# KiCad board [DFR1144][M027.00940](V1.0.0).kicad_pcb (continued)
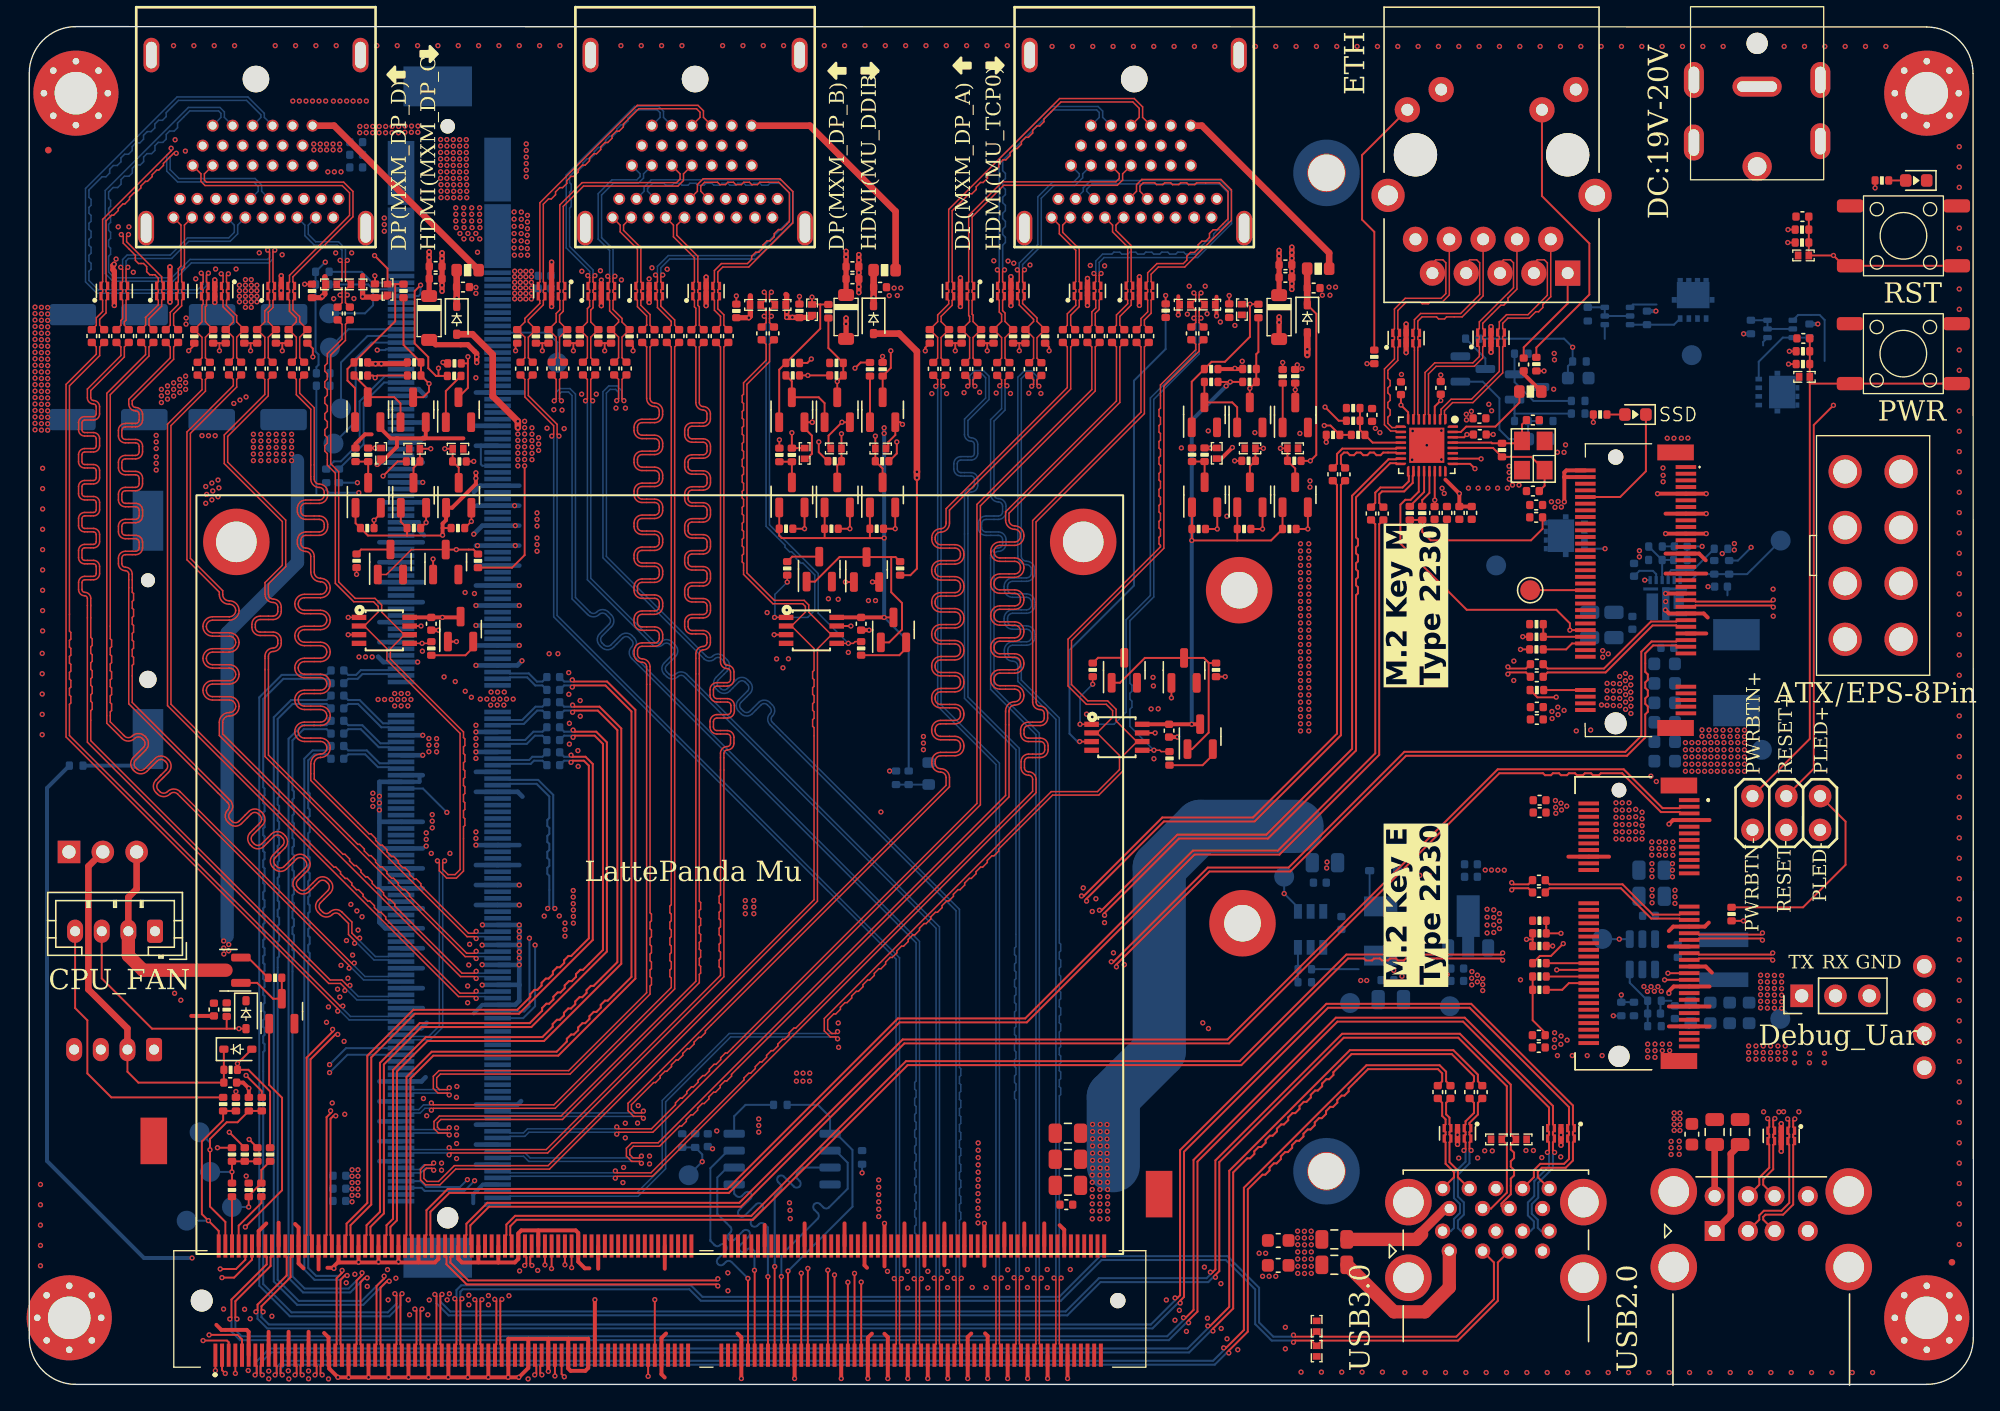
[diagram p0: board, top side]
## Routing (per net, layer and track width the routed paths; a pad name or vN(x,y) marks a point on that pad's centre or on a via; arc(x,y) is an arc through that point) (continued)
  In8.SIG4 w0.117: J11.208 27.1,31.76 26.97,31.88 25.88,31.88 24.63,33.14 v1(24.43,33.14)
/HDMI+DPD/MXM_DPD_TX1_DN: length 66.5
  In1.SIG1 w0.117: C118.1 8.99,77.94 8.99,77.26 6.08,74.35 6.08,56.02 6.18,55.92 6.18,55.42 6.08,55.32 6.08,54.82 6.18,54.72 6.18,54.22 6.08,54.12 6.08,53.62 6.18,53.52 6.18,53.02 6.08,52.92 6.08,52.42 6.18,52.32 6.18,51.82 6.08,51.72 6.08,51.22 6.18,51.12 6.18,50.62 6.08,50.52 6.08,49.77 7.15,48.7 arc(7.44,48.58) 7.73,48.7 arc(8.2,48.9) 8.66,48.7 8.76,48.61 arc(8.95,48.14) 8.76,47.67 7.99,46.91 arc(7.87,46.62) 7.99,46.33 8.08,46.25 arc(8.37,46.12) 8.66,46.25 9.42,47.01 arc(9.9,47.2) 10.37,47.01 10.46,46.92 arc(10.65,46.45) 10.46,45.98 9.69,45.22 arc(9.57,44.93) 9.69,44.64 9.8,44.53 arc(10.09,44.41) 10.38,44.53 arc(10.85,44.73) 11.32,44.53 24.2,31.65 v1(24.4,31.65)
  In8.SIG4 w0.117: J11.212 27.1,30.76 26.97,30.64 25.21,30.64 24.4,31.45 v1(24.4,31.65)
/HDMI+DPD/MXM_DPD_TX1_DP: length 66.5
  In1.SIG1 w0.117: C117.1 8.73,77.94 8.73,77.36 5.82,74.45 5.82,49.67 6.97,48.52 arc(7.44,48.33) 7.91,48.52 arc(8.2,48.64) 8.48,48.52 8.57,48.43 arc(8.69,48.14) 8.57,47.85 7.81,47.09 arc(7.62,46.62) 7.81,46.15 7.9,46.06 arc(8.37,45.87) 8.84,46.06 9.61,46.83 arc(9.9,46.95) 10.19,46.83 10.27,46.74 arc(10.39,46.45) 10.27,46.16 9.51,45.4 arc(9.32,44.93) 9.51,44.46 9.62,44.35 arc(10.09,44.15) 10.56,44.35 arc(10.85,44.47) 11.14,44.35 24.02,31.47 v1(24.02,31.27)
  In8.SIG4 w0.117: v1(24.02,31.27) 24.22,31.27 25.1,30.38 26.97,30.38 27.1,30.26 J11.214
/HDMI+DPD/MXM_DPD_TX2_DN: length 75.2
  In1.SIG1 w0.117: C120.1 7.14,77.94 7.14,77.19 4.62,74.67 4.62,74.11 arc(4.68,73.97) 4.82,73.91 arc(5.14,73.78) 5.28,73.45 5.28,72.9 arc(5.14,72.58) 4.82,72.45 4.16,72.45 arc(4.02,72.39) 3.96,72.24 3.96,71.71 arc(4.02,71.56) 4.16,71.5 4.82,71.5 arc(5.15,71.37) 5.28,71.04 5.28,70.51 arc(5.15,70.18) 4.82,70.05 4.16,70.05 arc(4.02,69.99) 3.96,69.84 3.96,69.31 arc(4.02,69.16) 4.16,69.1 4.82,69.1 arc(5.15,68.97) 5.28,68.64 5.28,68.11 arc(5.15,67.78) 4.82,67.65 4.16,67.65 arc(4.02,67.59) 3.96,67.44 3.96,66.91 arc(4.02,66.76) 4.16,66.7 4.82,66.7 arc(5.15,66.57) 5.28,66.24 5.28,65.71 arc(5.15,65.38) 4.82,65.25 4.16,65.25 arc(4.02,65.19) 3.96,65.04 3.96,64.51 arc(4.02,64.36) 4.16,64.3 4.82,64.3 arc(5.15,64.17) 5.28,63.84 5.28,63.31 arc(5.15,62.98) 4.82,62.85 4.16,62.85 arc(4.02,62.79) 3.96,62.64 3.96,62.11 arc(4.02,61.96) 4.16,61.9 4.82,61.9 arc(5.15,61.77) 5.28,61.44 5.28,60.91 arc(5.15,60.58) 4.82,60.45 4.16,60.45 arc(4.02,60.39) 3.96,60.24 3.96,59.7 arc(4.02,59.56) 4.16,59.5 arc(4.48,59.37) 4.62,59.04 4.62,56.12 4.72,56.01 4.72,55.52 4.62,55.41 4.62,54.92 4.72,54.81 4.72,54.32 4.62,54.21 4.62,53.72 4.72,53.61 4.72,53.12 4.62,53.01 4.62,52.52 4.72,52.41 4.72,51.92 4.62,51.81 4.62,51.32 4.72,51.21 4.72,50.72 4.62,50.61 4.62,48.35 22.59,30.38 23.47,30.38 23.88,29.97 v1(24.08,29.97)
  In8.SIG4 w0.117: v1(24.08,29.97) 24.08,29.77 24.71,29.14 26.97,29.14 27.1,29.26 J11.218
/HDMI+DPD/MXM_DPD_TX2_DP: length 75.2
  In1.SIG1 w0.117: C119.1 6.88,77.94 6.88,77.29 4.36,74.77 4.36,74.11 arc(4.5,73.79) 4.82,73.65 arc(4.96,73.6) 5.02,73.45 5.02,72.9 arc(4.96,72.76) 4.82,72.7 4.16,72.7 arc(3.83,72.57) 3.7,72.24 3.7,71.71 arc(3.83,71.38) 4.16,71.25 4.82,71.25 arc(4.96,71.19) 5.02,71.04 5.02,70.51 arc(4.96,70.36) 4.82,70.3 4.16,70.3 arc(3.83,70.17) 3.7,69.84 3.7,69.31 arc(3.83,68.98) 4.16,68.85 4.82,68.85 arc(4.96,68.79) 5.02,68.64 5.02,68.11 arc(4.96,67.96) 4.82,67.9 4.16,67.9 arc(3.83,67.77) 3.7,67.44 3.7,66.91 arc(3.83,66.58) 4.16,66.45 4.82,66.45 arc(4.96,66.39) 5.02,66.24 5.02,65.71 arc(4.96,65.56) 4.82,65.5 4.16,65.5 arc(3.83,65.37) 3.7,65.04 3.7,64.51 arc(3.83,64.18) 4.16,64.05 4.82,64.05 arc(4.96,63.99) 5.02,63.84 5.02,63.31 arc(4.96,63.16) 4.82,63.1 4.16,63.1 arc(3.83,62.97) 3.7,62.64 3.7,62.11 arc(3.83,61.78) 4.16,61.65 4.82,61.65 arc(4.96,61.59) 5.02,61.44 5.02,60.91 arc(4.96,60.76) 4.82,60.7 4.16,60.7 arc(3.84,60.57) 3.7,60.24 3.7,59.7 arc(3.84,59.38) 4.16,59.25 arc(4.3,59.19) 4.36,59.04 4.36,48.25 22.49,30.12 23.37,30.12 23.7,29.79 v1(23.7,29.59)
  In8.SIG4 w0.117: J11.220 27.1,28.76 26.97,28.88 24.6,28.88 23.9,29.59 v1(23.7,29.59)
/HDMI+DPD/MXM_DPD_TX3_DN: length 64.8
  In1.SIG1 w0.117: C122.1 5.29,77.94 5.29,77.28 3.02,75.02 3.02,56.59 3.12,56.48 3.12,55.99 3.02,55.88 3.02,55.39 3.12,55.28 3.12,54.79 3.02,54.68 3.02,54.19 3.12,54.08 3.12,53.59 3.02,53.48 3.02,52.99 3.12,52.88 3.12,52.39 3.02,52.28 3.02,51.79 3.12,51.68 3.12,51.19 3.02,51.08 3.02,48.74 23.34,28.42 v1(23.54,28.42)
  In8.SIG4 w0.117: v1(23.54,28.42) 23.54,28.22 24.12,27.64 26.97,27.64 27.1,27.76 J11.224
/HDMI+DPD/MXM_DPD_TX3_DP: length 64.8
  In1.SIG1 w0.117: C121.1 5.03,77.94 5.03,77.39 2.76,75.12 2.76,48.64 23.16,28.24 v1(23.16,28.04)
  In8.SIG4 w0.117: J11.226 27.1,27.26 26.97,27.38 24.01,27.38 23.36,28.04 v1(23.16,28.04)
/HDMI+DPD/TMDS_2_CK+: length 43.3
  In1.SIG1 w0.117: v1(12.91,83.48) 13.05,83.34 13.05,82.83 12.93,82.7 U17.5 12.93,82.33 13.05,82.21 13.05,82.05 12.93,81.93 U17.6 12.93,81.55 13.05,81.43 13.05,81.15 12.97,81.07 12.97,79.82 R32.1 12.97,78.66 12.97,77.11 C112.2
  In8.SIG4 w0.117: U26.H10 17.39,95.18 17.39,95.38 16.31,96.46 11.2,96.46 10.28,95.53 10.28,95.24 10,94.96 9.7,94.96 9.43,94.69 9.43,94.39 9.15,94.11 8.86,94.11 8.58,93.84 8.58,93.54 8.3,93.26 8.01,93.26 7.73,92.99 7.73,92.69 7.45,92.42 7.16,92.42 6.88,92.14 6.88,91.84 6.61,91.57 6.31,91.57 6.03,91.29 6.03,91 5.76,90.72 5.46,90.72 4.48,89.74 4.48,89.18 4.64,89.02 4.64,88.58 4.48,88.42 4.48,87.98 4.64,87.82 4.64,87.38 4.48,87.22 4.48,86.78 4.64,86.62 4.64,86.18 4.48,86.02 4.48,85.58 4.64,85.42 4.64,84.98 4.48,84.82 4.48,84.38 4.64,84.22 4.64,83.78 4.48,83.62 4.48,82.93 5.18,82.23 12.64,82.23 13.05,82.64 13.05,83.34 v1(12.91,83.48)
/HDMI+DPD/TMDS_2_CK-: length 43.3
  In1.SIG1 w0.117: C113.2 13.23,77.11 13.23,78.66 R31.1 13.23,79.82 13.23,80.96 13.31,81.04 13.31,81.43 13.43,81.55 U17.7 13.43,81.93 13.31,82.05 13.31,82.21 13.43,82.33 U17.4 13.43,82.7 13.31,82.83 13.31,83.34 v1(13.45,83.48)
  In8.SIG4 w0.117: v1(13.45,83.48) 13.31,83.34 13.31,82.54 12.74,81.97 5.08,81.97 4.22,82.83 4.22,89.84 11.1,96.72 16.42,96.72 17.65,95.48 17.65,95.18 U26.H12
/HDMI+DPD/TMDS_2_D0+: length 32
  In1.SIG1 w0.117: v1(14.41,83.43) 14.55,83.29 14.55,82.83 14.43,82.7 U17.2 14.43,82.33 14.55,82.21 14.55,82.05 14.43,81.93 U17.9 14.43,81.55 14.55,81.43 14.55,80.95 15.32,80.18 15.32,79.81 R34.1 15.32,78.67 15.32,77.12 C110.2
  In6.SIG3 w0.117: U26.H7 15.89,90.94 15.89,90.5 16.33,90.06 23.62,90.06 24,89.68 24,87.33 22.98,86.31 15.87,86.31 14.55,84.99 14.55,83.57 v1(14.41,83.43)
/HDMI+DPD/TMDS_2_D0-: length 32
  In1.SIG1 w0.117: v1(14.95,83.43) 14.81,83.29 14.81,82.83 14.93,82.7 U17.1 14.93,82.33 14.81,82.21 14.81,82.05 14.93,81.93 U17.10 14.93,81.55 14.81,81.43 14.81,81.05 15.58,80.28 15.58,79.81 R33.1 15.58,78.67 15.58,77.12 C111.2
  In6.SIG3 w0.117: v1(14.95,83.43) 14.81,83.57 14.81,84.89 15.97,86.05 23.08,86.05 24.26,87.23 24.26,89.78 23.72,90.32 16.43,90.32 16.15,90.6 16.15,90.94 U26.H9
/HDMI+DPD/TMDS_2_D1+: length 42.9
  In1.SIG1 w0.117: C108.2 17.69,77.12 17.69,78.66 R113.1 17.69,79.82 17.69,80.65 18.04,81 18.04,81.43 17.92,81.55 U18.1 17.92,81.93 18.04,82.05 18.04,82.21 17.92,82.33 U18.10 17.92,82.7 18.04,82.83 18.04,85.07 v1(17.9,85.21)
  In8.SIG4 w0.117: v1(17.9,85.21) 18.04,85.07 18.04,84.65 17.9,84.51 12.07,84.51 10.69,83.13 6.38,83.13 5.96,83.55 5.96,84.75 6.1,84.9 6.1,85.35 5.96,85.5 5.96,85.95 6.1,86.1 6.1,86.55 5.96,86.7 5.96,87.15 6.1,87.3 6.1,87.75 5.96,87.9 5.96,88.35 6.1,88.5 6.1,88.95 5.96,89.1 5.96,89.58 6.29,89.91 6.64,89.91 6.89,90.16 6.89,90.51 7.14,90.76 7.49,90.76 7.74,91.01 7.74,91.36 7.99,91.61 8.34,91.61 8.59,91.86 8.59,92.21 8.84,92.46 9.18,92.46 9.44,92.71 9.44,93.05 9.69,93.31 10.03,93.31 10.28,93.56 10.28,93.9 10.54,94.15 10.88,94.15 11.13,94.4 11.13,94.75 12.05,95.67 14.21,95.67 14.39,95.49 14.39,95.18 U26.H4
/HDMI+DPD/TMDS_2_D1-: length 42.9
  In1.SIG1 w0.117: v1(18.44,85.21) 18.3,85.07 18.3,82.83 18.42,82.7 U18.9 18.42,82.33 18.3,82.21 18.3,82.05 18.42,81.93 U18.2 18.42,81.55 18.3,81.43 18.3,80.9 17.95,80.54 17.95,79.82 R37.1 17.95,78.66 17.95,77.12 C109.2
  In8.SIG4 w0.117: U26.H6 14.65,95.18 14.65,95.59 14.32,95.93 11.95,95.93 5.7,89.68 5.7,83.45 6.28,82.87 10.8,82.87 12.17,84.25 18,84.25 18.3,84.55 18.3,85.07 v1(18.44,85.21)
/HDMI+DPD/TMDS_2_D2+: length 28.6
  In1.SIG1 w0.117: C83.2 20.05,77.12 20.05,78.67 R116.1 20.05,79.82 20.05,80.11 19.54,80.62 19.54,81.43 19.42,81.55 U18.4 19.42,81.93 19.54,82.05 19.54,82.21 19.42,82.33 U18.7 19.42,82.7 19.54,82.83 19.54,83.31 24.05,87.82 24.05,89.51 23.5,90.06 13.2,90.06 12.89,90.37 12.89,90.94 U26.H1
/HDMI+DPD/TMDS_2_D2-: length 28.6
  In1.SIG1 w0.117: C107.2 20.31,77.12 20.31,78.67 R115.1 20.31,79.82 20.31,80.21 19.8,80.72 19.8,81.43 19.92,81.55 U18.5 19.92,81.93 19.8,82.05 19.8,82.21 19.92,82.33 U18.6 19.92,82.7 19.8,82.83 19.8,83.21 24.31,87.72 24.31,89.61 23.61,90.32 13.31,90.32 13.15,90.47 13.15,90.94 U26.H3
/HDMI+DPD/TMDS_2_HPD: length 28.1
  In1.SIG1 w0.15: 26.45,70.31 D22.2 R35.2
  In6.SIG3 w0.15: v1(25.96,70.34) 27.61,71.99 27.61,89.66 25.71,91.56 U26.H19
/HDMI+DPD/TMDS_2_SCL: length 33.4
  In1.SIG1 w0.15: v1(30.15,70.29) D21.2 R114.2 28.85,68.85 Q8.3
  In6.SIG3 w0.15: v1(30.15,70.29) 27.91,72.53 27.91,89.78 25.46,92.24 20.45,92.24 U26.H15
/HDMI+DPD/TMDS_2_SDA: length 34.6
  In1.SIG1 w0.15: 31.79,70.29 R117.2 32.25,68.87 Q19.3 ; D23.2 v1(31.2,70.29)
  In6.SIG3 w0.15: v1(31.2,70.29) 28.21,73.28 28.21,89.91 24.23,93.89 20.45,93.89 U26.H16
/LattePanda Module/HSIO_0_TX+: length 111.9
  In1.SIG1 w0.154: A1.13 16.98,1.47 17.08,1.36 17.08,0.83 v1(16.96,0.71) ; v1(88.51,4.39) 88.68,4.39 90.12,5.82 90.12,16.05 99.18,25.11 106.95,25.11 108.79,23.27 108.79,22.77 C142.1
  In8.SIG4 w0.154: v1(88.51,4.39) 88.51,4.22 86.99,2.69 18.04,2.69 17.08,1.74 17.08,0.83 v1(16.96,0.71)
/LattePanda Module/HSIO_0_TX-: length 111.9
  In1.SIG1 w0.154: v1(17.5,0.71) 17.37,0.83 17.37,1.36 17.48,1.47 A1.15 ; C143.1 108.5,22.77 108.5,23.14 106.83,24.81 99.3,24.81 97.94,23.45 97.94,23.24 97.62,22.92 97.41,22.92 97.09,22.6 97.09,22.4 96.77,22.08 96.56,22.08 96.24,21.76 96.24,21.55 95.92,21.23 95.71,21.23 95.39,20.91 95.39,20.7 95.07,20.38 94.86,20.38 94.54,20.06 94.54,19.85 94.22,19.53 94.02,19.53 93.7,19.21 93.7,19 93.38,18.68 93.17,18.68 92.85,18.36 92.85,18.15 92.53,17.83 92.32,17.83 92,17.51 92,17.3 91.68,16.98 91.47,16.98 90.41,15.92 90.41,5.7 88.89,4.18 v1(88.89,4.01)
  In8.SIG4 w0.154: v1(17.5,0.71) 17.37,0.83 17.37,1.61 18.16,2.4 87.11,2.4 88.72,4.01 v1(88.89,4.01)
/LattePanda Module/HSIO_1_TX+: length 107.2
  In1.SIG1 w0.154: v1(89.7,2.74) 89.87,2.74 91.22,4.08 91.22,14.77 100.42,23.98 105.91,23.98 106.4,23.49 106.4,22.77 C144.1 ; v1(18.46,0.71) 18.58,0.83 18.58,1.36 18.48,1.47 A1.19
  In8.SIG4 w0.154: v1(89.7,2.74) 89.7,2.57 88.91,1.77 19.06,1.77 18.58,1.29 18.58,0.83 v1(18.46,0.71)
/LattePanda Module/HSIO_1_TX-: length 107.2
  In1.SIG1 w0.154: A1.21 18.98,1.47 18.87,1.36 18.87,0.83 v1(19,0.71) ; C145.1 106.11,22.77 106.11,23.37 105.79,23.68 100.54,23.68 99.08,22.22 99.08,22.01 98.76,21.69 98.55,21.69 98.23,21.37 98.23,21.17 97.91,20.85 97.71,20.85 97.39,20.53 97.39,20.32 97.07,20 96.86,20 96.54,19.68 96.54,19.47 96.22,19.15 96.01,19.15 95.69,18.83 95.69,18.62 95.37,18.3 95.16,18.3 94.84,17.98 94.84,17.77 94.52,17.45 94.31,17.45 93.99,17.13 93.99,16.92 93.67,16.6 93.46,16.6 93.14,16.28 93.14,16.07 92.82,15.75 92.61,15.75 91.51,14.65 91.51,3.96 90.08,2.53 v1(90.08,2.36)
  In8.SIG4 w0.154: v1(90.08,2.36) 89.91,2.36 89.03,1.48 19.18,1.48 18.87,1.17 18.87,0.83 v1(19,0.71)
/LattePanda Module/HSIO_2_RX+: length 155.4
  In1.SIG1 w0.154: v1(130.97,58.39) 130.85,58.51 125.14,58.51 125.04,58.41 J5.43 ; A1.28 20.73,11.12 20.83,11.22 20.83,24.55 22.78,26.5 v1(22.78,26.67)
  In6.SIG3 w0.154: v1(22.78,26.67) 22.78,26.5 22.39,26.11 21.53,26.11 20.79,26.85 20.79,34.86 30.25,44.32 48.96,44.32 49.06,44.21 49.56,44.21 49.66,44.32 50.16,44.32 50.26,44.21 50.76,44.21 50.86,44.32 51.36,44.32 51.46,44.21 51.96,44.21 52.06,44.32 52.56,44.32 52.66,44.21 53.16,44.21 53.26,44.32 53.76,44.32 53.86,44.21 54.36,44.21 54.46,44.32 54.96,44.32 55.06,44.21 55.56,44.21 55.66,44.32 56.16,44.32 56.26,44.21 56.76,44.21 56.86,44.32 57.36,44.32 57.46,44.21 57.96,44.21 58.06,44.32 58.56,44.32 58.66,44.21 59.16,44.21 59.26,44.32 59.76,44.32 59.86,44.21 60.36,44.21 60.46,44.32 60.96,44.32 61.06,44.21 61.56,44.21 61.66,44.32 97.37,44.32 110.36,57.31 127.94,57.31 129.14,58.51 130.85,58.51 v1(130.97,58.39)
/LattePanda Module/HSIO_2_RX-: length 155.4
  In1.SIG1 w0.154: v1(130.97,58.93) 130.85,58.81 125.14,58.81 125.04,58.91 J5.41 ; A1.30 21.23,11.12 21.12,11.22 21.12,24.42 22.99,26.29 v1(23.16,26.29)
  In6.SIG3 w0.154: v1(23.16,26.29) 22.99,26.29 22.51,25.81 21.41,25.81 20.49,26.73 20.49,34.98 30.13,44.61 97.25,44.61 110.24,57.61 127.82,57.61 129.02,58.81 130.85,58.81 v1(130.97,58.93)
/LattePanda Module/HSIO_2_TX+: length 138
  In1.SIG1 w0.154: v1(111.04,53.36) 111.16,53.48 112.41,53.48 C35.1 ; v1(19.96,0.71) 20.08,0.83 20.08,1.36 19.98,1.47 A1.25
  In6.SIG3 w0.154: v1(111.04,53.36) 111.16,53.48 111.87,53.48 112.16,53.19 112.16,46.46 107.57,41.87 57.66,41.87 57.51,42.02 57.06,42.02 56.91,41.87 56.46,41.87 56.31,42.02 55.86,42.02 55.71,41.87 55.26,41.87 55.11,42.02 54.66,42.02 54.51,41.87 54.06,41.87 53.91,42.02 53.46,42.02 53.31,41.87 35.67,41.87 28.02,34.22 28.02,27.51 20.08,19.56 20.08,0.83 v1(19.96,0.71)
/LattePanda Module/HSIO_2_TX-: length 138
  In1.SIG1 w0.154: v1(20.5,0.71) 20.37,0.83 20.37,1.36 20.48,1.47 A1.27 ; C36.1 112.41,53.78 111.16,53.78 v1(111.04,53.9)
  In6.SIG3 w0.154: v1(111.04,53.9) 111.16,53.78 111.99,53.78 112.46,53.31 112.46,46.34 107.69,41.58 35.79,41.58 28.32,34.1 28.32,27.39 20.37,19.44 20.37,0.83 v1(20.5,0.71)
/LattePanda Module/HSIO_3_RX+: length 138
  In1.SIG1 w0.154: v1(22.63,20.55) 22.63,20.38 22.33,20.08 22.33,11.22 22.23,11.12 A1.34 ; v1(130.16,33.91) 130.04,33.79 125.39,33.79 125.29,33.89 J6.41
  In6.SIG3 w0.154: v1(22.63,20.55) 22.8,20.55 29.4,27.14 29.4,33.76 35.64,40 115.3,40 121.52,33.79 130.04,33.79 v1(130.16,33.91)
/LattePanda Module/HSIO_3_RX-: length 138
  In1.SIG1 w0.154: J6.43 125.29,33.39 125.39,33.49 130.04,33.49 v1(130.16,33.37) ; v1(23.01,20.17) 22.84,20.17 22.62,19.95 22.62,11.22 22.73,11.12 A1.36
  In6.SIG3 w0.154: v1(23.01,20.17) 23.01,20.34 29.69,27.02 29.69,33.63 35.77,39.71 52.51,39.71 52.65,39.56 53.11,39.56 53.25,39.71 53.71,39.71 53.85,39.56 54.31,39.56 54.45,39.71 54.91,39.71 55.05,39.56 55.51,39.56 55.65,39.71 56.11,39.71 56.25,39.56 56.71,39.56 56.85,39.71 115.18,39.71 121.4,33.49 130.04,33.49 v1(130.16,33.37)
/LattePanda Module/HSIO_3_TX+: length 123.3
  In1.SIG1 w0.154: v1(21.46,0.71) 21.58,0.83 21.58,1.36 21.48,1.47 A1.31 ; C41.1 112.58,37.57 111.45,37.57 v1(111.33,37.69)
  In6.SIG3 w0.154: v1(111.33,37.69) 111.21,37.57 97.54,37.57 96.69,38.42 35.89,38.42 30.64,33.16 30.64,26.19 21.02,16.58 21.02,3.14 21.58,2.58 21.58,0.83 v1(21.46,0.71)
/LattePanda Module/HSIO_3_TX-: length 123.3
  In1.SIG1 w0.154: v1(111.33,37.15) 111.45,37.27 112.58,37.27 C42.1 ; A1.33 21.98,1.47 21.87,1.36 21.87,0.83 v1(22,0.71)
  In6.SIG3 w0.154: v1(111.33,37.15) 111.21,37.27 97.42,37.27 96.57,38.12 57.46,38.12 57.31,37.98 56.86,37.98 56.71,38.12 56.26,38.12 56.11,37.98 55.66,37.98 55.51,38.12 55.06,38.12 54.91,37.98 54.46,37.98 54.31,38.12 53.86,38.12 53.71,37.98 53.26,37.98 53.11,38.12 36.01,38.12 30.93,33.04 30.93,26.07 21.32,16.46 21.32,3.26 21.87,2.71 21.87,0.83 v1(22,0.71)
/LattePanda Module/HSIO_8_RX+: length 51.3
  In1.SIG1 w0.154: A1.40 23.73,11.12 23.83,11.22 23.83,12.07 25.39,13.63 25.39,24.69 28.84,28.14 36.65,28.14 37.62,29.11 37.62,29.32 37.94,29.64 38.15,29.64 38.47,29.96 38.47,30.17 38.79,30.49 39,30.49 39.32,30.81 39.32,31.01 39.64,31.33 39.85,31.33 40.17,31.66 40.17,31.86 40.49,32.18 40.7,32.18 42.02,33.51 42.02,46.48 41.65,46.85 40.81,46.85 v1(40.69,46.73)
  In8.SIG4 w0.154: v1(40.69,46.73) 40.56,46.85 40.16,46.85 C88.1
/LattePanda Module/HSIO_8_RX-: length 51.3
  In1.SIG1 w0.154: A1.42 24.23,11.12 24.12,11.22 24.12,11.95 25.68,13.51 25.68,24.56 28.96,27.85 36.78,27.85 42.32,33.39 42.32,46.6 41.77,47.15 40.81,47.15 v1(40.69,47.27)
  In8.SIG4 w0.154: v1(40.69,47.27) 40.56,47.15 40.16,47.15 C87.1
/LattePanda Module/HSIO_8_TX+: length 50.8
  In1.SIG1 w0.154: v1(23.49,8.56) 23.49,8.39 23.08,7.98 23.08,3.02 22.98,2.92 A1.37
  In8.SIG4 w0.154: C134.1 22.32,47.33 21.4,47.33 20.95,46.88 20.95,44.5 21.05,44.4 21.05,43.9 20.95,43.8 20.95,43.3 21.05,43.2 21.05,42.7 20.95,42.6 20.95,42.1 21.05,42 21.05,41.5 20.95,41.4 20.95,40.9 21.05,40.8 21.05,40.3 20.95,40.2 20.95,39.7 21.05,39.6 21.05,39.1 20.95,39 20.95,38.5 21.05,38.4 21.05,37.9 20.95,37.8 20.95,37.3 21.05,37.2 21.05,36.7 20.95,36.6 20.95,36.1 21.05,36 21.05,35.5 20.95,35.4 20.95,34.9 21.05,34.8 21.05,34.3 20.95,34.2 20.95,33.7 21.05,33.6 21.05,33.1 20.95,33 20.95,32.5 21.05,32.4 21.05,31.9 20.95,31.8 20.95,8.74 21.54,8.15 23.25,8.15 23.49,8.39 v1(23.49,8.56)
/LattePanda Module/HSIO_8_TX-: length 50.8
  In1.SIG1 w0.154: v1(23.87,8.18) 23.7,8.18 23.37,7.85 23.37,3.02 23.48,2.92 A1.39
  In8.SIG4 w0.154: C133.1 22.32,47.63 21.27,47.63 20.65,47 20.65,8.62 21.42,7.85 23.37,7.85 23.7,8.18 v1(23.87,8.18)
/LattePanda Module/HSIO_9_RX+: length 54.2
  In1.SIG1 w0.154: v1(40.84,48.61) 40.96,48.74 42.46,48.74 43.08,48.11 43.08,32.64 41.59,31.14 41.38,31.14 41.06,30.82 41.06,30.61 40.74,30.29 40.53,30.29 40.21,29.97 40.21,29.76 39.89,29.44 39.68,29.44 39.36,29.12 39.36,28.92 39.04,28.6 38.83,28.6 38.51,28.28 38.51,28.07 37.58,27.14 29.32,27.14 26.34,24.16 26.34,12.96 25.33,11.95 25.33,11.22 25.23,11.12 A1.46
  In8.SIG4 w0.154: C90.1 40.16,48.74 40.72,48.74 v1(40.84,48.61)
/LattePanda Module/HSIO_9_RX-: length 54.2
  In1.SIG1 w0.154: A1.48 25.73,11.12 25.62,11.22 25.62,11.83 26.63,12.84 26.63,24.03 29.44,26.85 37.71,26.85 43.38,32.52 43.38,48.23 42.58,49.03 40.96,49.03 v1(40.84,49.15)
  In8.SIG4 w0.154: v1(40.84,49.15) 40.72,49.03 40.16,49.03 C89.1
/LattePanda Module/HSIO_9_TX+: length 57.2
  In1.SIG1 w0.154: v1(24.99,8.38) 24.99,8.21 24.58,7.8 24.58,3.02 24.48,2.92 A1.43
  In8.SIG4 w0.154: v1(24.99,8.38) 24.99,8.21 23.98,7.2 20.68,7.2 19.76,8.12 19.76,31.94 19.87,32.05 19.87,32.54 19.76,32.65 19.76,33.14 19.87,33.25 19.87,33.74 19.76,33.85 19.76,34.34 19.87,34.45 19.87,34.94 19.76,35.05 19.76,35.54 19.87,35.65 19.87,36.14 19.76,36.25 19.76,36.74 19.87,36.85 19.87,37.34 19.76,37.45 19.76,37.94 19.87,38.05 19.87,38.54 19.76,38.65 19.76,39.14 19.87,39.25 19.87,39.74 19.76,39.85 19.76,40.34 19.87,40.45 19.87,40.94 19.76,41.05 19.76,41.54 19.87,41.65 19.87,42.14 19.76,42.25 19.76,42.74 19.87,42.85 19.87,43.34 19.76,43.45 19.76,43.94 19.87,44.05 19.87,44.54 19.76,44.65 19.76,48.38 20.61,49.22 22.33,49.22 C136.1
/LattePanda Module/HSIO_9_TX-: length 57.2
  In1.SIG1 w0.154: A1.45 24.98,2.92 24.87,3.02 24.87,7.67 25.2,8 v1(25.37,8)
  In8.SIG4 w0.154: v1(25.37,8) 25.2,8 24.1,6.91 20.56,6.91 19.47,7.99 19.47,48.5 20.49,49.52 22.33,49.52 C135.1
/LattePanda Module/HSIO_10_RX+: length 56.8
  In1.SIG1 w0.154: v1(40.8,50.49) 40.92,50.62 42.7,50.62 44.16,49.15 44.16,31.72 42.38,29.93 42.17,29.93 41.85,29.61 41.85,29.41 41.53,29.09 41.32,29.09 41,28.77 41,28.56 40.68,28.24 40.47,28.24 40.15,27.92 40.15,27.71 39.83,27.39 39.62,27.39 39.3,27.07 39.3,26.86 38.53,26.09 29.78,26.09 27.32,23.63 27.32,12.44 26.83,11.95 26.83,11.22 26.73,11.12 A1.52
  In8.SIG4 w0.154: C92.1 40.16,50.62 40.68,50.62 v1(40.8,50.49)
/LattePanda Module/HSIO_10_RX-: length 56.8
  In1.SIG1 w0.154: A1.54 27.23,11.12 27.12,11.22 27.12,11.83 27.61,12.32 27.61,23.5 29.9,25.8 38.66,25.8 44.46,31.6 44.46,49.27 42.82,50.91 40.92,50.91 v1(40.8,51.03)
  In8.SIG4 w0.154: v1(40.8,51.03) 40.68,50.91 40.16,50.91 C91.1
/LattePanda Module/HSIO_10_TX+: length 63.5
  In1.SIG1 w0.154: A1.49 25.98,2.92 26.08,3.02 26.08,7.39 26.65,7.96 v1(26.65,8.13)
  In8.SIG4 w0.154: C138.1 22.33,51.11 19.78,51.11 18.65,49.99 18.65,44.76 18.76,44.65 18.76,44.16 18.65,44.05 18.65,43.56 18.76,43.45 18.76,42.96 18.65,42.85 18.65,42.36 18.76,42.25 18.76,41.76 18.65,41.65 18.65,41.16 18.76,41.05 18.76,40.56 18.65,40.45 18.65,39.96 18.76,39.85 18.76,39.36 18.65,39.25 18.65,38.76 18.76,38.65 18.76,38.16 18.65,38.05 18.65,37.56 18.76,37.45 18.76,36.96 18.65,36.85 18.65,36.36 18.76,36.25 18.76,35.76 18.65,35.65 18.65,35.16 18.76,35.05 18.76,34.56 18.65,34.45 18.65,33.96 18.76,33.85 18.76,33.36 18.65,33.25 18.65,32.76 18.76,32.65 18.76,32.16 18.65,32.05 18.65,7.85 20.24,6.27 24.96,6.27 26.65,7.96 v1(26.65,8.13)
/LattePanda Module/HSIO_10_TX-: length 63.5
  In1.SIG1 w0.154: A1.51 26.48,2.92 26.37,3.02 26.37,7.26 26.86,7.75 v1(27.03,7.75)
  In8.SIG4 w0.154: C137.1 22.33,51.41 19.66,51.41 18.36,50.11 18.36,7.73 20.11,5.98 25.08,5.98 26.86,7.75 v1(27.03,7.75)
/LattePanda Module/HSIO_11_RX+: length 59.6
  In1.SIG1 w0.154: v1(40.78,52.38) 40.9,52.51 43.27,52.51 45.22,50.55 45.22,30.61 43.44,28.83 43.24,28.83 42.92,28.51 42.92,28.3 42.6,27.98 42.39,27.98 42.07,27.66 42.07,27.45 41.75,27.13 41.54,27.13 41.22,26.81 41.22,26.61 40.9,26.28 40.69,26.28 40.37,25.96 40.37,25.76 39.6,24.99 30.22,24.99 28.33,23.1 28.33,11.22 28.23,11.12 A1.58
  In8.SIG4 w0.154: C94.1 40.16,52.51 40.66,52.51 v1(40.78,52.38)
/LattePanda Module/HSIO_11_RX-: length 59.6
  In1.SIG1 w0.154: v1(40.78,52.92) 40.9,52.8 43.39,52.8 45.52,50.67 45.52,30.49 39.73,24.7 30.34,24.7 28.62,22.98 28.62,11.22 28.73,11.12 A1.60
  In8.SIG4 w0.154: v1(40.78,52.92) 40.66,52.8 40.16,52.8 C93.1
/LattePanda Module/HSIO_11_TX+: length 68
  In1.SIG1 w0.154: A1.55 27.48,2.92 27.58,3.02 27.58,6.69 v1(27.46,6.81)
  In8.SIG4 w0.154: C140.1 22.33,53 19.08,53 17.56,51.49 17.56,44.87 17.67,44.76 17.67,44.27 17.56,44.16 17.56,43.67 17.67,43.56 17.67,43.07 17.56,42.96 17.56,42.47 17.67,42.36 17.67,41.87 17.56,41.76 17.56,41.27 17.67,41.16 17.67,40.67 17.56,40.56 17.56,40.07 17.67,39.96 17.67,39.47 17.56,39.36 17.56,38.87 17.67,38.76 17.67,38.27 17.56,38.16 17.56,37.67 17.67,37.56 17.67,37.07 17.56,36.96 17.56,36.47 17.67,36.36 17.67,35.87 17.56,35.76 17.56,35.27 17.67,35.16 17.67,34.67 17.56,34.56 17.56,34.07 17.67,33.96 17.67,33.47 17.56,33.36 17.56,32.87 17.67,32.76 17.67,32.27 17.56,32.16 17.56,31.67 17.67,31.56 17.67,31.07 17.56,30.96 17.56,30.47 17.67,30.36 17.67,29.87 17.56,29.76 17.56,29.27 17.67,29.16 17.67,28.67 17.56,28.56 17.56,28.07 17.67,27.96 17.67,27.47 17.56,27.36 17.56,26.87 17.67,26.76 17.67,26.27 17.56,26.16 17.56,25.67 17.67,25.56 17.67,25.07 17.56,24.96 17.56,7.54 19.69,5.41 26.92,5.41 27.58,6.07 27.58,6.69 v1(27.46,6.81)
/LattePanda Module/HSIO_11_TX-: length 68
  In1.SIG1 w0.154: A1.57 27.98,2.92 27.87,3.02 27.87,6.69 v1(28,6.81)
  In8.SIG4 w0.154: v1(28,6.81) 27.87,6.69 27.87,5.95 27.04,5.12 19.57,5.12 17.27,7.41 17.27,51.61 18.96,53.3 22.33,53.3 C139.1
/LattePanda Module/REFCLK0+: length 129.5
  In1.SIG1 w0.154: v1(34.96,6.39) 35.08,6.27 35.08,3.02 34.98,2.92 A1.85 ; J5.53 123.79,55.91 123.68,55.81 121.83,55.81 121.06,55.04 121.06,48.72 119.86,47.52 103.27,47.52 94.57,38.82 88.51,38.82 81.43,31.75 v1(81.26,31.75)
  In6.SIG3 w0.154: v1(81.26,31.75) 81.26,31.58 80.56,30.88 46.16,30.88 42.65,27.37 42.65,8.69 41.68,7.72 35.51,7.72 35.08,7.29 35.08,6.51 v1(34.96,6.39)
/LattePanda Module/REFCLK0-: length 129.5
  In1.SIG1 w0.154: v1(81.64,31.37) 81.64,31.54 88.63,38.53 94.7,38.53 103.39,47.22 119.98,47.22 121.36,48.6 121.36,50.33 121.55,50.53 121.55,50.93 121.36,51.13 121.36,51.53 121.55,51.73 121.55,52.13 121.36,52.33 121.36,52.73 121.55,52.93 121.55,53.33 121.36,53.53 121.36,54.92 121.95,55.51 123.68,55.51 123.79,55.41 J5.55 ; v1(35.5,6.39) 35.37,6.27 35.37,3.02 35.48,2.92 A1.87
  In6.SIG3 w0.154: v1(81.64,31.37) 81.47,31.37 80.68,30.58 46.28,30.58 42.94,27.25 42.94,8.57 41.8,7.42 35.63,7.42 35.37,7.16 35.37,6.51 v1(35.5,6.39)
/LattePanda Module/REFCLK2+: length 72
  In1.SIG1 w0.154: v1(37.96,0.71) 38.08,0.84 38.08,1.36 37.98,1.47 A1.97
  In6.SIG3 w0.154: v1(37.96,0.71) 38.08,0.84 38.08,2.13 36.98,3.23 22.93,3.23 21.96,4.2 21.96,15.51 39.05,32.6 39.05,35.63 v1(38.93,35.75)
  In8.SIG4 w0.154: v1(38.93,35.75) 39.05,35.87 39.05,38.2 38.91,38.35 38.91,38.8 39.05,38.95 39.05,39.4 38.91,39.55 38.91,40 39.05,40.15 39.05,40.6 38.91,40.75 38.91,41.2 39.05,41.35 39.05,41.8 38.91,41.95 38.91,42.4 39.05,42.55 39.05,44.16 38.1,45.12 36.1,45.12 36,45.01 J11.155
